# Altium PCB Science-Rev1.PcbDoc (continued)
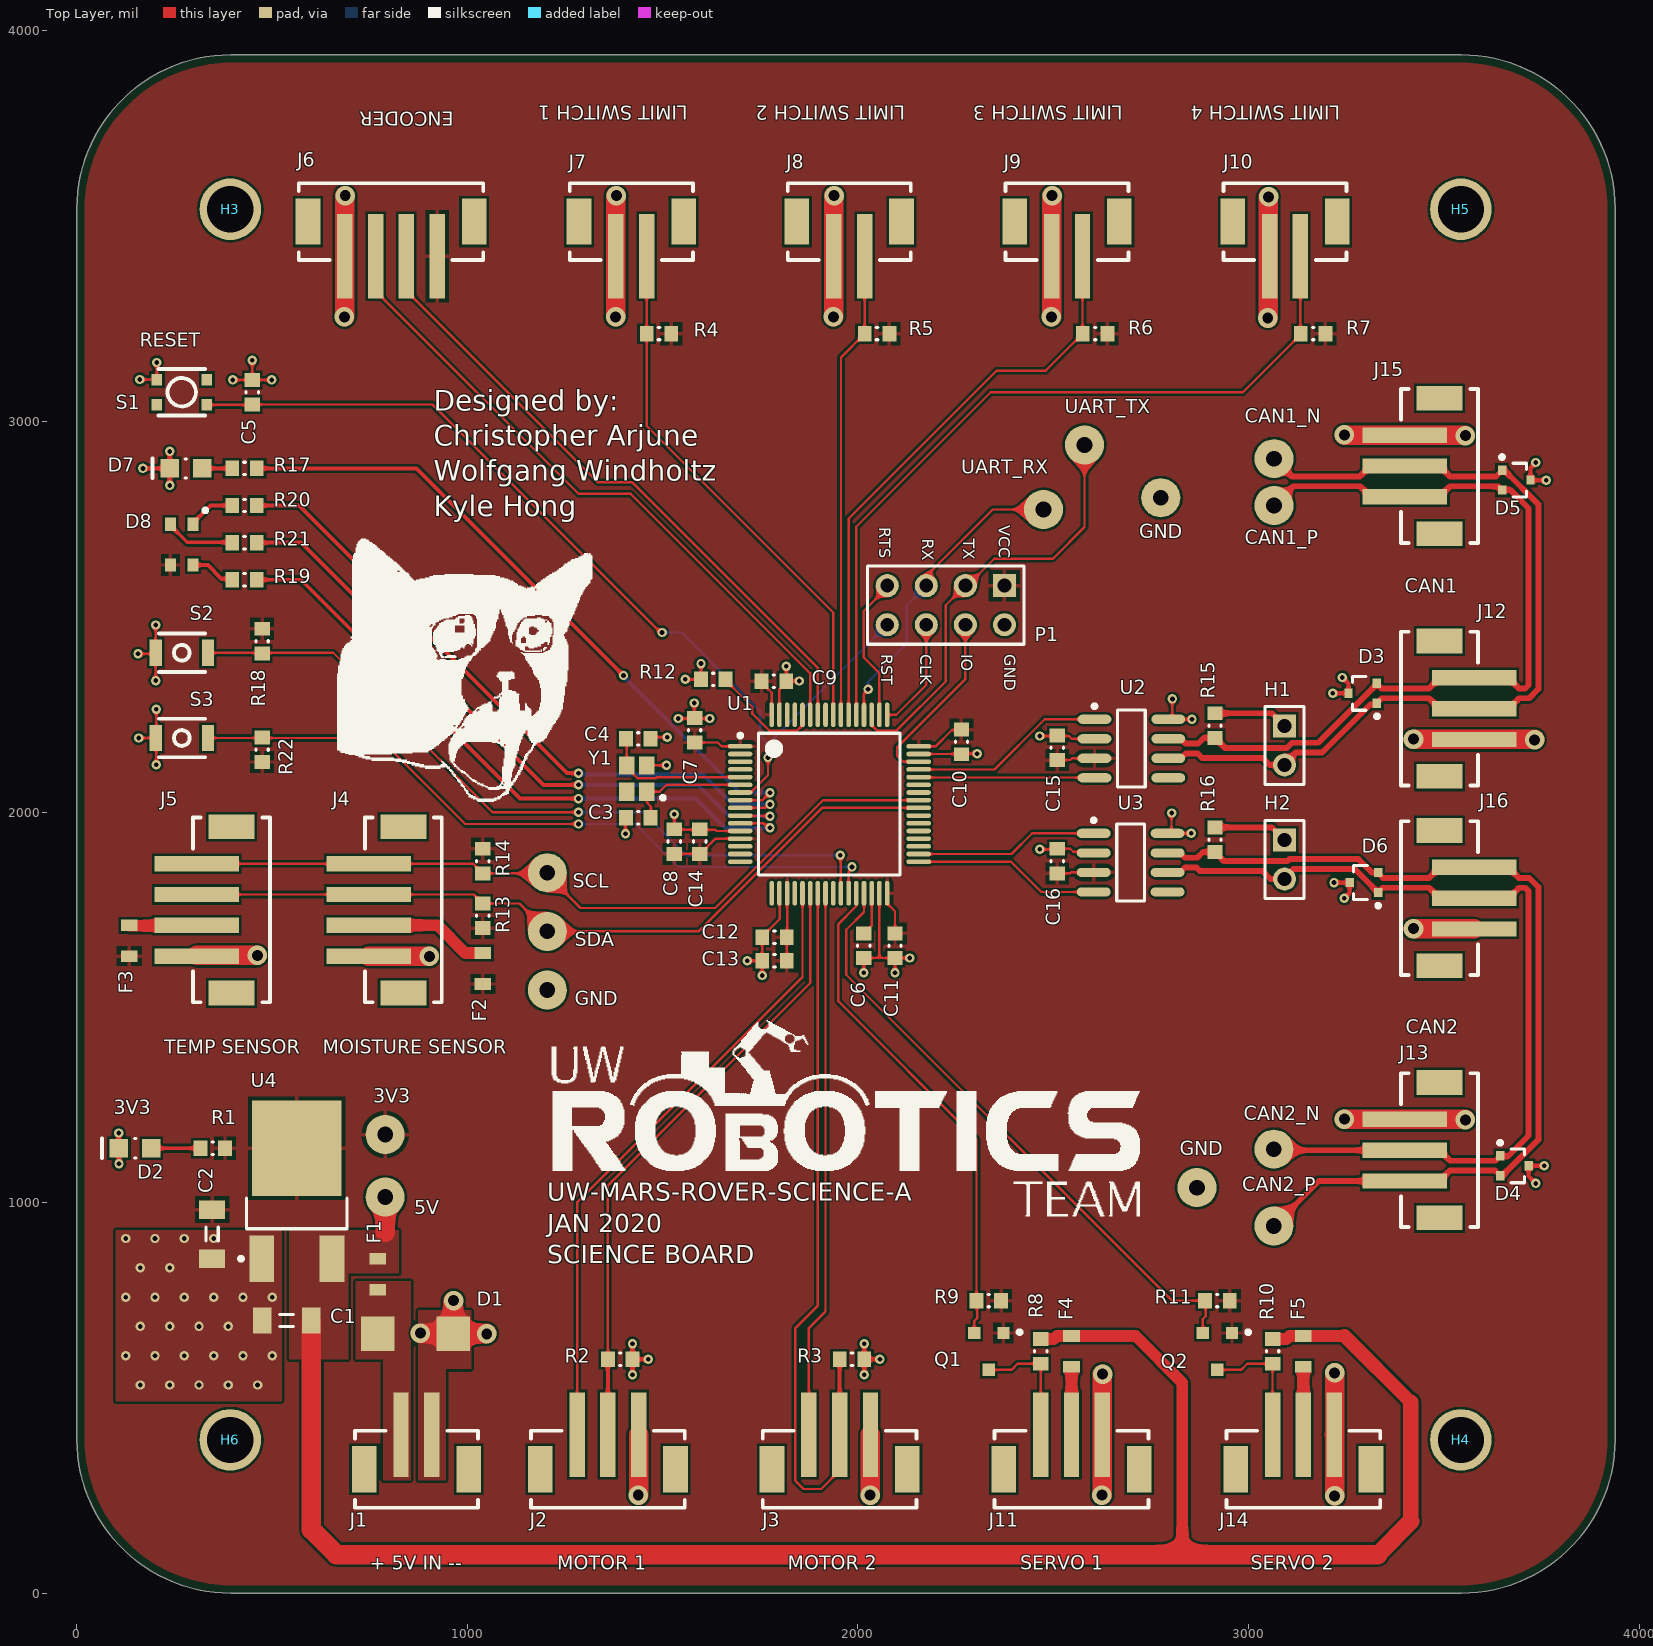
[diagram p0: Top Layer view]
## Footprints (in the part's own frame and the unit in brackets; to place one, negate y for a bottom-side part, rotate by r counter-clockwise, add the part's x,y. Pads: shape width x height; smd on the part's side, far side on the other; paste and mask are expansions set on the pad) (continued)
MOUNTING_HOLE [mm]
  round 4 hole 3 unplated: 0(0,0)
NMOS_SOT23-3 [mm] "SOT23, 3 pins, Body 2.90mm x 2.80mm"
  rect 0.8x0.8 smd: 1(-0.95,-1.2) 2(0.95,-1.2) 3(0,1.2)
  silkscreen extent -2.13,-1.37 -1.88,-1.13, body extent -1.46,-1.25 1.46,1.23, height 1
NXP-SOT323-3 [mm] "SOT23, 3-Leads, Body 2.2x1.35mm, Pitch 0.65mm"
  rect 0.55x0.6 smd paste-1: 1(-0.925,0.65) 2(-0.925,-0.65) 3(0.925,0)
  silkscreen extent -1.05,-1.1 0.67,1.62, body extent -1.15,-1.1 1.15,1.1, height 1.1
PTS830GM140 [mm] "PWR TACTILE SWITCH (RED)"
  rect 0.7x0.75 smd: 1(-1.625,0.825) 2(1.625,0.825) 3(-1.625,-0.825) 4(1.625,-0.825)
  silkscreen extent -1.53,-1.5 1.53,1.5, body extent -1.75,-1.3 1.75,1.3, height 1.35
RESC0603(1608)_N [mm] "Chip Resistor, Body 1.6x0.8mm, IPC Medium Density"
  rect 0.9x1 smd: 1(-0.8,0) 2(0.8,0)
  silkscreen extent -0.05,-0.4 0.05,0.4, body extent -0.85,-0.47 0.85,0.47, height 0.6
STM-LQFP64_L [mm] "QFP, 64-Leads, Body 10x10mm, Pitch 0.5mm, IPC High Density"
  oval 1.6x0.3 smd: 1(-5.8,3.75) 2(-5.8,3.25) 3(-5.8,2.75) 4(-5.8,2.25) 5(-5.8,1.75) 6(-5.8,1.25) 7(-5.8,0.75) 8(-5.8,0.25) 9(-5.8,-0.25) 10(-5.8,-0.75) 11(-5.8,-1.25) 12(-5.8,-1.75) 13(-5.8,-2.25) 14(-5.8,-2.75) 15(-5.8,-3.25) 16(-5.8,-3.75) 33(5.8,-3.75) 34(5.8,-3.25) 35(5.8,-2.75) 36(5.8,-2.25) 37(5.8,-1.75) 38(5.8,-1.25) 39(5.8,-0.75) 40(5.8,-0.25) 41(5.8,0.25) 42(5.8,0.75) 43(5.8,1.25) 44(5.8,1.75) 45(5.8,2.25) 46(5.8,2.75) 47(5.8,3.25) 48(5.8,3.75)
  oval 0.3x1.6 smd: 17(-3.75,-5.8) 18(-3.25,-5.8) 19(-2.75,-5.8) 20(-2.25,-5.8) 21(-1.75,-5.8) 22(-1.25,-5.8) 23(-0.75,-5.8) 24(-0.25,-5.8) 25(0.25,-5.8) 26(0.75,-5.8) 27(1.25,-5.8) 28(1.75,-5.8) 29(2.25,-5.8) 30(2.75,-5.8) 31(3.25,-5.8) 32(3.75,-5.8) 49(3.75,5.8) 50(3.25,5.8) 51(2.75,5.8) 52(2.25,5.8) 53(1.75,5.8) 54(1.25,5.8) 55(0.75,5.8) 56(0.25,5.8) 57(-0.25,5.8) 58(-0.75,5.8) 59(-1.25,5.8) 60(-1.75,5.8) 61(-2.25,5.8) 62(-2.75,5.8) 63(-3.25,5.8) 64(-3.75,5.8)
  silkscreen extent -5.92,-4.6 4.6,4.6, body extent -5,-5 5,5, height 1.6
TESTPOINT_LOOP [mm]
  round 2.54 hole 1.02: 1(0,0)
  body extent -1.27,-1.27 1.27,1.27, height 4.57
TVS_DIODE_BIDIRECTIONAL [mm]
  rect 2.16x2.26 smd: 1(-2.45,0) 2(2.45,0)
  body extent -2.7,-1.8 2.7,1.8, height 2.27
VOLTAGE_REGULATOR [mm] "DPAK, 3-Leads, Body 6.095x6.54mm, Pitch 4.57mm"
  rect 1.6x3 smd: 1(-2.285,-2.79) 3(2.285,-2.79)
  rect 5.8x6.2 smd: 2(0,4.39)
  silkscreen extent -3.76,-2.91 3.27,1.14, body extent -3.27,-0.84 3.27,5.25, height 2.38

## Part data
3V3 5V CAN1_N CAN1_P CAN2_N CAN2_P GND GND GND SCL SDA UART_RX UART_TX: "Loop testpoint through-hole pad", Manufacturer="Keystone Electronics", Manufacturer Part Number 1=5002, Supplier Part Number 1=36-5002-ND, Supplier 1=Digi-Key
C1 C2: library part CAP_10uF_50V_1206, "CAP CER 10UF 50V X5R 1206", Manufacturer=Murata, MPN=GRT31CR61H106KE01L, Package="1206 (3216 Metric)", Supplier Part Number 1=490-12456-1-ND, Voltage Rating=50V, Dimensions="0.126\" L x 0.063\" W (3.20mm x 1.6mm)", Supplier 1=Digi-Key
C3 C4: "CAP CER 14PF 50V C0G/NP0 0603", Capacitance=14pF, Case/Package=0603, Case Code (Metric)=1608, Dielectric=C0G, Manufacturer 1=Samsung, Manufacturer Part Number 1=CL10C140JB8NNNC, Max Operating Temperature=125∑C, Min Operating Temperature=-55∑C, Package Quantity=1, Supplier Part Number 1=1276-2187-1-ND, Tolerance=5%, Voltage Rating=50V, Case Code (Imperial)=0603, ComponentLink1Description=https://datasheet.ciiva.com/25782/cl10c140jb8nnnc-25782947.pdf?src-supplier=Digi-Key, ComponentLink1URL=https://datasheet.ciiva.com/25782/cl10c140jb8nnnc-25782947.pdf?src-supplier=Digi-Key, Depth=0.8mm, Height=0.8mm, Length=1.6mm, Mount="Surface Mount", Packaging="Tape and Reel", Pricing 1="1=0.10000, 10=0.06700, 100=0.02980, 500=0.02130, 1000=0.01673 (USD)", Radiation Hardening=No, RoHS=Yes, Stock 1=187088, Supplier 1=Digi-Key, Thickness=0.035inch, Voltage Rating (DC)=50V, Width=0.031inch
C5 C7 C9 C10 C11 C12 C15 C16: "CAP CER 0.1UF 16V X7R 0603", Manufacturer=Yageo, MPN=CC0603KRX7R7BB104, Package="0603 (1608 Metric)", Supplier Part Number 1=311-1088-1-ND, Temperature Coefficient=X7R, Voltage Rating=16V, Dimensions="0.063\" L x 0.031\" W (1.60mm x 0.80mm)", Supplier 1=Digi-Key
C6 C13: "CAP CER 4.7UF 6.3V X5R 0603", Manufacturer=Yageo, MPN=CC0603KRX5R5BB475, Package="0603 (1608 Metric)", Supplier Part Number 1=311-1521-1-ND, Temperature Coefficient=X5R, Voltage Rating=6.3V, Dimensions="0.063\" L x 0.031\" W (1.60mm x 0.80mm)", Supplier 1=Digi-Key
C8: "CAP CER 1UF 16V Y5V 0603", Manufacturer=Yageo, MPN=CC0603ZRY5V7BB105, Package="0603 (1608 Metric)", Supplier Part Number 1=311-1372-1-ND, Temperature Coefficient=Y5V, Voltage Rating=16V, Dimensions="0.063\" L x 0.031\" W (1.60mm x 0.80mm)", Supplier 1=Digi-Key
C14: "CAP CER 10000PF 16V X7R 0603", Manufacturer=Yageo, MPN=CC0603KRX7R7BB103, Package="0603 (1608 Metric)", Supplier Part Number 1=311-3369-1-ND, Temperature Coefficient=X7R, Voltage Rating=16V, Dimensions="0.063\" L x 0.031\" W (1.60mm x 0.80mm)", Supplier 1=Digi-Key
D1: "TVS DIODE 5V 9.2V DO214AA", Breakdown Voltage=6.4V, Case/Package=SMB, Clamping Voltage=9.2V, Leakage Current=1.6mA, Manufacturer="Nexperia USA Inc.", Manufacturer 1=Littelfuse, Manufacturer Part Number 1=SMBJ5.0CA, Max Breakdown Voltage=7V, Max Operating Temperature=150∑C, Max Power Dissipation=5W, Max Surge Current=65.3A, Min Operating Temperature=-65∑C, MPN=PESD2CAN,215, Operating Supply Voltage=5V, Package="SC-70, SOT-323", Package Quantity=3000, Peak Pulse Power=600W, Power Line Protection=No, Supplier Part Number 1=1727-3891-1-ND, Test Current=10mA, ComponentLink1Description=Datasheet, ComponentLink1URL=https://www.littelfuse.com/~/media/electronics/datasheets/tvs_diodes/littelfuse_tvs_diode_smbj_datasheet.pdf.pdf, Composition=Zener, Direction=Bidirectional, Element Configuration=Single, ESD Protection=Yes, Height=0.096inch, Lead Free="Lead Free", Length=0.179inch, Max Reverse Leakage Current=1.6mA, Min Breakdown Voltage=6.4V, Mount="Surface Mount", Number of Bidirectional Channels=1, Number of Channels=1, Number of Elements=1, Number of Pins=2, Packaging="Tape and Reel", Peak Pulse Current=65.3A, Polarity=Bidirectional, Power Dissipation=600W, Pricing 1="1=0.39000, 10=0.31300, 25=0.28640, 100=0.17980, 250=0.17784, 500=0.16650, 1000=0.11322 (USD)", Radiation Hardening=No, REACH SVHC="No SVHC", Reverse Breakdown Voltage=6.4V, Reverse Standoff Voltage=5V, Stock 1=23233, Supplier 1=Digi-Key, Termination=SMD/SMT, Voltage Rating (DC)=5V, Width=0.155inch
D2: "LED GREEN DIFFUSED 0805 SMD", Forward Voltage Drop=2.2V, Manufacturer=OSRAM, MPN="LG R971-KN-1", Package="0805 (2012 Metric)", Supplier Part Number 1=475-1410-1-ND, Supplier 1=Digi-Key
D3 D4 D5 D6: "TVS DIODE 24V 41V SOT323-3", Manufacturer="Nexperia USA Inc.", Manufacturer Part Number=PESD2CAN,215, Package="SC-70, SOT-323", Supplier Part Number 1=1727-3891-1-ND, ComponentLink1Description=Datasheet, ComponentLink1URL=https://assets.nexperia.com/documents/data-sheet/PESD1CAN-U.pdf, Supplier 1=Digi-Key
D7: "LED YELLOW DIFFUSED 0805 SMD", Forward Voltage Drop=2.2V, Manufacturer=OSRAM, MPN="LY R976-PS-36", Package="0805 (2012 Metric)", Supplier Part Number 1=475-2560-1-ND, Supplier 1=Digi-Key
D8: "LED RGB DIFFUSED 4PLCC SMD", Case/Package=PLCC, Color=Blue,Green,Red, Forward Voltage=3.1V, Lens Color=White, Manufacturer 1=Broadcom, Manufacturer Part Number 1=ASMB-MTB1-0A3A2, Supplier Part Number 1=516-3280-1-ND, Test Current=20mA, ComponentLink1Description=http://www.farnell.com/datasheets/2111106.pdf?src-supplier=Farnell, ComponentLink1URL=http://www.farnell.com/datasheets/2111106.pdf?src-supplier=Farnell, ComponentLink2Description=https://docs.broadcom.com/docs/AV02-4194EN?src-supplier=Digi-Key, ComponentLink2URL=https://docs.broadcom.com/docs/AV02-4194EN?src-supplier=Digi-Key, ComponentLink3Description=http://www.farnell.com/datasheets/1801564.pdf?src-supplier=Element14, ComponentLink3URL=http://www.farnell.com/datasheets/1801564.pdf?src-supplier=Element14, ComponentLink4Description=http://www.farnell.com/datasheets/2111106.pdf?src-supplier=Newark, ComponentLink4URL=http://www.farnell.com/datasheets/2111106.pdf?src-supplier=Newark, Dominant Wavelength=470nm, Height=1.9mm, Length=3.2mm, Lens Style=Round, Lens Transparency=Diffused, Luminous Intensity=350mcd, Mount="Surface Mount", Number of Pins=4, Packaging="Cut Tape", Pricing 1="1=0.60000, 10=0.47100, 100=0.30210, 500=0.25980, 1000=0.20059 (USD)", REACH SVHC="No SVHC", RoHS=Yes, Stock 1=142531, Supplier 1=Digi-Key, Viewing Angle=115∑, Width=2.8mm
F1: "FUSE SMD 2A 32V", Current Rating=2A, Supplier Part Number 1=F7132CT-ND, Voltage Rating (AC)=32V, ComponentLink1Description=https://datasheet.ciiva.com/303/467-303400.pdf?src-supplier=Digi-Key, ComponentLink1URL=https://datasheet.ciiva.com/303/467-303400.pdf?src-supplier=Digi-Key, ComponentLink2Description=http://datasheet.octopart.com/0467002.NRHF-Littelfuse-datasheet-32023482.pdf?src-supplier=Future+Electronics, ComponentLink2URL=http://datasheet.octopart.com/0467002.NRHF-Littelfuse-datasheet-32023482.pdf?src-supplier=Future+Electronics, ComponentLink3Description=http://datasheet.octopart.com/0467002.NRHF-Littelfuse-datasheet-136509808.pdf?src-supplier=Future+Electronics, ComponentLink3URL=http://datasheet.octopart.com/0467002.NRHF-Littelfuse-datasheet-136509808.pdf?src-supplier=Future+Electronics, Mount="Surface Mount", Supplier 1=Digi-Key, Supplier Packaging 1="Cut Tape", Voltage Rating (DC)=32V
F2 F3: "FUSE SMD 250mA 32V", Current Rating=250mA, Supplier Part Number 1=F6020CT-ND, Voltage Rating (AC)=32V, ComponentLink1Description=https://datasheet.ciiva.com/303/467-303396.pdf?src-supplier=Digi-Key, ComponentLink1URL=https://datasheet.ciiva.com/303/467-303396.pdf?src-supplier=Digi-Key, ComponentLink2Description=https://datasheet.ciiva.com/18652/littelfuse-fuse-467-datasheet-pdf-18652490.pdf?src-supplier=Digi-Key, ComponentLink2URL=https://datasheet.ciiva.com/18652/littelfuse-fuse-467-datasheet-pdf-18652490.pdf?src-supplier=Digi-Key, ComponentLink3Description=https://datasheet.ciiva.com/18652/littelfuse-fuse-467-datasheet-pdf-18652491.pdf?src-supplier=Digi-Key, ComponentLink3URL=https://datasheet.ciiva.com/18652/littelfuse-fuse-467-datasheet-pdf-18652491.pdf?src-supplier=Digi-Key, ComponentLink4Description=https://datasheet.ciiva.com/18652/littelfuse-fuse-467-datasheet-pdf-18652492.pdf?src-supplier=Digi-Key, ComponentLink4URL=https://datasheet.ciiva.com/18652/littelfuse-fuse-467-datasheet-pdf-18652492.pdf?src-supplier=Digi-Key, Mount="Surface Mount", Supplier 1=Digi-Key, Supplier Packaging 1="Cut Tape", Voltage Rating (DC)=32V
F4 F5: "FUSE SMD 1.5A 32V", Current Rating=1.5A, Supplier Part Number 1=F5702CT-ND, Voltage Rating (AC)=32V, ComponentLink1Description=https://datasheet.ciiva.com/26890/getdatasheetpartid-721713-26890390.pdf?src-supplier=Verical, ComponentLink1URL=https://datasheet.ciiva.com/26890/getdatasheetpartid-721713-26890390.pdf?src-supplier=Verical, ComponentLink2Description=https://datasheet.ciiva.com/7464/467-7464069.pdf?src-supplier=Digi-Key, ComponentLink2URL=https://datasheet.ciiva.com/7464/467-7464069.pdf?src-supplier=Digi-Key, ComponentLink3Description=https://datasheet.ciiva.com/7464/467-7464072.pdf?src-supplier=Digi-Key, ComponentLink3URL=https://datasheet.ciiva.com/7464/467-7464072.pdf?src-supplier=Digi-Key, Mount="Surface Mount", Supplier 1=Digi-Key, Supplier Packaging 1="Cut Tape", Voltage Rating (DC)=32V
H1 H2: "HEADER 2X1"
H3 H4 H5 H6: "6cm x 6cm"
J1 J7 J8 J9 J10: "CONN HEADER SMD 2POS 2MM", Manufacturer=JST, Manufacturer Part Number=B2B-PH-SM4-TB(LF)(SN), Max Current Rating=2A, Max Voltage Rating=100V, Supplier Part Number 1=455-1734-1-ND, ComponentLink1Description=https://datasheet.ciiva.com/11748/0900766b80ddea81-11748001.pdf?src-supplier=RSComponents, ComponentLink1URL=https://datasheet.ciiva.com/11748/0900766b80ddea81-11748001.pdf?src-supplier=RSComponents, ComponentLink2Description=https://datasheet.ciiva.com/16216/b2b-ph-sm4-tblfsn-16216102.pdf?src-supplier=Future+Electronics, ComponentLink2URL=https://datasheet.ciiva.com/16216/b2b-ph-sm4-tblfsn-16216102.pdf?src-supplier=Future+Electronics, ComponentLink3Description=https://datasheet.ciiva.com/8052/80567-8052023.pdf?src-supplier=Element14, ComponentLink3URL=https://datasheet.ciiva.com/8052/80567-8052023.pdf?src-supplier=Element14, ComponentLink4Description=https://datasheet.ciiva.com/712/eph-712504.pdf?src-supplier=Digi-Key, ComponentLink4URL=https://datasheet.ciiva.com/712/eph-712504.pdf?src-supplier=Digi-Key, ComponentLink5Description=https://datasheet.ciiva.com/712/eph-712505.pdf?src-supplier=Digi-Key, ComponentLink5URL=https://datasheet.ciiva.com/712/eph-712505.pdf?src-supplier=Digi-Key, ComponentLink6Description=https://datasheet.ciiva.com/712/eph-712506.pdf?src-supplier=Digi-Key, ComponentLink6URL=https://datasheet.ciiva.com/712/eph-712506.pdf?src-supplier=Digi-Key, Pitch=2mm, Supplier 1=Digi-Key
J2 J3 J11 J12 J13 J14 J15 J16: "CONN HEADER SMD 3POS 2MM", Manufacturer=JST, Manufacturer Part Number=B3B-PH-SM4-TB(LF)(SN), Max Current Rating=2A, Max Voltage Rating=100V, Supplier Part Number 1=455-1735-1-ND, ComponentLink1Description=https://datasheet.ciiva.com/11747/0900766b80ddea81-11747684.pdf?src-supplier=RSComponents, ComponentLink1URL=https://datasheet.ciiva.com/11747/0900766b80ddea81-11747684.pdf?src-supplier=RSComponents, Pitch=2mm, Supplier 1=Digi-Key
J4 J5: library part CON_4M_SM4, "CONN HEADER SMD 4POS 2MM", Manufacturer=JST, Manufacturer Part Number=B4B-PH-SM4-TB(LF)(SN), Max Current Rating=2A, Max Voltage Rating=100V, Supplier Part Number 1=455-1736-1-ND, ComponentLink1Description=https://datasheet.ciiva.com/8052/1699381-8052048.pdf?src-supplier=Element14, ComponentLink1URL=https://datasheet.ciiva.com/8052/1699381-8052048.pdf?src-supplier=Element14, ComponentLink2Description=https://datasheet.ciiva.com/11747/0900766b80ddea81-11747504.pdf?src-supplier=RSComponents, ComponentLink2URL=https://datasheet.ciiva.com/11747/0900766b80ddea81-11747504.pdf?src-supplier=RSComponents, ComponentLink3Description=https://datasheet.ciiva.com/6747/80567-6747409.pdf?src-supplier=Newark, ComponentLink3URL=https://datasheet.ciiva.com/6747/80567-6747409.pdf?src-supplier=Newark, ComponentLink4Description=https://datasheet.ciiva.com/727/eph-727525.pdf?src-supplier=Digi-Key, ComponentLink4URL=https://datasheet.ciiva.com/727/eph-727525.pdf?src-supplier=Digi-Key, ComponentLink5Description=https://datasheet.ciiva.com/712/eph-712582.pdf?src-supplier=Digi-Key, ComponentLink5URL=https://datasheet.ciiva.com/712/eph-712582.pdf?src-supplier=Digi-Key, ComponentLink6Description=https://datasheet.ciiva.com/712/eph-712583.pdf?src-supplier=Digi-Key, ComponentLink6URL=https://datasheet.ciiva.com/712/eph-712583.pdf?src-supplier=Digi-Key, Pitch=2mm, Supplier 1=Digi-Key
J6: "CONN HEADER SMD 4POS 2MM", Manufacturer=JST, Manufacturer Part Number=B4B-PH-SM4-TB(LF)(SN), Max Current Rating=2A, Max Voltage Rating=100V, Supplier Part Number 1=455-1736-1-ND, ComponentLink1Description=https://datasheet.ciiva.com/8052/1699381-8052048.pdf?src-supplier=Element14, ComponentLink1URL=https://datasheet.ciiva.com/8052/1699381-8052048.pdf?src-supplier=Element14, ComponentLink2Description=https://datasheet.ciiva.com/11747/0900766b80ddea81-11747504.pdf?src-supplier=RSComponents, ComponentLink2URL=https://datasheet.ciiva.com/11747/0900766b80ddea81-11747504.pdf?src-supplier=RSComponents, ComponentLink3Description=https://datasheet.ciiva.com/6747/80567-6747409.pdf?src-supplier=Newark, ComponentLink3URL=https://datasheet.ciiva.com/6747/80567-6747409.pdf?src-supplier=Newark, ComponentLink4Description=https://datasheet.ciiva.com/727/eph-727525.pdf?src-supplier=Digi-Key, ComponentLink4URL=https://datasheet.ciiva.com/727/eph-727525.pdf?src-supplier=Digi-Key, ComponentLink5Description=https://datasheet.ciiva.com/712/eph-712582.pdf?src-supplier=Digi-Key, ComponentLink5URL=https://datasheet.ciiva.com/712/eph-712582.pdf?src-supplier=Digi-Key, ComponentLink6Description=https://datasheet.ciiva.com/712/eph-712583.pdf?src-supplier=Digi-Key, ComponentLink6URL=https://datasheet.ciiva.com/712/eph-712583.pdf?src-supplier=Digi-Key, Pitch=2mm, Supplier 1=Digi-Key
P1: "Header, 4-Pin Dual row", Manufacturer="Sullins Connector Solutions", MPN=GRPB042VWVN-RC, Supplier Part Number 1=S9015E-04-ND, Supplier 1=Digi-Key
Q1 Q2: "MOSFET N-CH 20V 6A SOT23", Manufacturer="Alpha & Omega", MPN=AO3420, Package="TO-236-3, SC-59, SOT-23-3", Supplier Part Number 1=785-1014-1-ND, ComponentLink1Description=Datasheet, ComponentLink1URL=http://aosmd.com/res/data_sheets/AO3420.pdf, Supplier 1=Digi-Key
R1 R15 R16 R17 R20: "RES SMD 120 OHM 5% 1/10W 0603", Manufacturer=Yageo, MPN=RC0603JR-07120RL, Package="0603 (1608 Metric)", Supplier Part Number 1=311-120GRCT-ND, Tolerance=5%, Dimensions="0.063\" L x 0.031\" W (1.60mm x 0.80mm)", Supplier 1=Digi-Key
R2 R3 R4 R5 R6 R7 R8 R9 R10 R11 R12 R13 R14 R18 R22: "RES SMD 4.7K OHM 5% 1/10W 0603", Manufacturer=Yageo, MPN=RC0603JR-074K7L, Package="0603 (1608 Metric)", Supplier Part Number 1=311-4.7KGRCT-ND, Tolerance=5%, Dimensions="0.063\" L x 0.031\" W (1.60mm x 0.80mm)", Supplier 1=Digi-Key
R19 R21: "RES SMD 20 OHM 5% 1/10W 0603", Manufacturer=Yageo, MPN=RC0603JR-0720RL, Package="0603 (1608 Metric)", Supplier Part Number 1=311-20GRCT-ND, Tolerance=5%, Dimensions="0.063\" L x 0.031\" W (1.60mm x 0.80mm)", Supplier 1=Digi-Key
S1: "Power Switch (Red)", Manufacturer=C&K, MPN="PTS830GM140 SMTR LFS", Supplier Part Number 1=CKN10587CT-ND, ComponentLink1Description=Datasheet, ComponentLink1URL=https://www.ckswitches.com/media/1478/pts830.pdf, Supplier 1=Digi-Key
S2 S3: "Tactile Switch (Grey)", Manufacturer="Omron Electronics Inc-EMC Div", MPN=B3U-1100P, Supplier Part Number 1=SW1021CT-ND, Supplier 1=Digi-Key
U1: library part MCU_STM32F446RET6, "ARM Cortex-M4 32-bit MCU+FPU, 512 KB Flash, 128 KB Internal RAM, 50 I/Os, 64-Pin LQFP, -40 to 85 degC, Tray", I/Os (High Current)=50, Operating Frequency(F) (Processor speed) (MHz)=180, Package Description=LQFP64, Package Reference="64-Pin Low-profile Quad Flat Package, Body 10 x 10 mm, Pitch 0.5 mm", Supplier Part Number 1=497-15376-ND, Supply Voltage(Vcc) min (V)=1.7, ComponentLink1Description="Manufacturer URL", ComponentLink1URL=http://www.st.com/, ComponentLink2Description=Datasheet, ComponentLink2URL=http://www.st.com/st-web-ui/static/active/en/resource/technical/document/datasheet/DM00141306.pdf, Core="ARM Cortex-M4", D/A Converter=2, DatasheetVersion="Rev. 6", FLASH Size (Prog) (kB)=512, Internal RAM Size (kB)=128, Mounting Technology="Surface Mount", Packing=Tray, Supplier 1=Digi-Key
U2 U3: library part LTC2875, "IC TXRX CAN 4MBPS 8SO", Manufacturer="Linear Technologies", MPN=LTC2875IS8#PBF, Package="8-SOIC (0.154\", 3.90mm Width)", Supplier Part Number 1=LTC2875IS8#PBF-ND, ComponentLink1Description=Datasheet, ComponentLink1URL=https://www.analog.com/media/en/technical-documentation/data-sheets/2875f.pdf, Supplier 1=Digi-Key
U4: "IC REG LINEAR 3.3V 1A DPAK", Current Output=1A, Manufacturer="ON Semiconductor", MPN=NCP1117DT33T5G, Supplier Part Number 1=NCP1117DT33T5GOSCT-ND, Supplier 1=Digi-Key
Y1: "CRYSTAL 25.0000MHZ 12PF SMD", Case/Package=SMD/SMT, ESR (Equivalent Series Resistance)=80R, Frequency=25MHz, Frequency Stability=15ppm, Frequency Tolerance=10ppm, Load Capacitance=12pF, Manufacturer 1="Kyocera AVX", Manufacturer Part Number 1=CX2520DB25000H0FLJC1, Max Operating Temperature=85∑C, Min Operating Temperature=-30∑C, Ratings=AEC-Q200, Supplier Part Number 1=1253-1724-1-ND, ComponentLink1Description=https://media.digikey.com/pdf/Data%20Sheets/AVX%20PDFs/CX2520DB_USY1M-H1-16429-00_Spec.pdf?src-supplier=Digi-Key, ComponentLink1URL=https://media.digikey.com/pdf/Data%20Sheets/AVX%20PDFs/CX2520DB_USY1M-H1-16429-00_Spec.pdf?src-supplier=Digi-Key, Height=0.022inch, Length=0.098inch, Mount="Surface Mount", Packaging="Tape and Reel", Pricing 1="1=0.72000, 10=0.63300, 50=0.59120, 100=0.52250, 500=0.49500, 1000=0.41250 (USD)", RoHS=Yes, Stock 1=11741, Supplier 1=Digi-Key, Width=0.079inch

## Via types
v1: diameter 24, hole 12, Top Layer to Bottom Layer, tented both sides, 95 vias
v2: diameter 50, hole 28, Top Layer to Bottom Layer, tented both sides, 28 vias

## Nets (pads, with @x,y where several pads share a name; then routed paths per layer and width w, separated by ;. In a path a pad name is that pad's centre, name@x,y a point inside that pad or via, vN(x,y) a via of type N, cw(c..) or ccw(c..) an arc to the next point about the centre after c; other vN are vias at no path point)
+3V3: 3V3.1 C2.1 C7.2 C8.2 C9.2 C10.2 C11.2 C12.2 C13.2 C14.2 C15.2 C16.2 D8.4 F2.1 F3.1 J6.1 P1.1 Q1.1 Q2.1 R1.2 R4.2 R5.2 R6.2 R7.2 R9.2 R11.2 R13.2 R14.2 R18.1 R22.2 U1.1 U1.13 U1.19 U1.32 U1.48 U1.64 U2.3 U3.3 U4.2 | length 1005.9
  Top Layer w6: C8.2 C14.2 1596.97,1893.5 1635.88,1932.42 U1.13 ; C7.2 1641.5,2178.5 1651.36,2168.64 U1.1 ; C9.2@1757.01,2335 1757.01,2327.99 1779.36,2305.64 U1.64 ; C13.2 C12.2 1818.73,1680.73 U1.19 ; U1.32 2074.64,1767.06 2095,1746.7 C11.2 ; U1.48 2198.64,2168.64 2240,2210 2263.5,2210 C10.2 ; C15.2@2508.5,2135 C15.2 2543.5,2133.5 2548,2138 U2.3 ; C16.2 2543.5,1843.5 2546,1846 U3.3
+5V: 5V.1 C1.1 F1.2 F4.1 F5.1 R8.2 R10.2 U4.3 | length 5088
  Top Layer w30: R8.2 2501.5,651.5 2509.57,659.57 F4.1 2710.43,659.57 2830,540 2830,100 ; R10.2 3096.5,651.5 3104.57,659.57 F5.1 3245.43,659.57
  Top Layer w35: 3245.43,659.57 3415,490
  Top Layer w40: 3415,185 3415,490
  Top Layer w45: 3330,100 3415,185
  Top Layer w50: C1.1 600.98,164.02 665,100 2830,100 3330,100 ; 790,925 5V.1
\R\S\T\: C5.2 P1.8 S1.4 U1.7 | length 2435.2
  Top Layer w6: S1.4 449.02,3042.52 C5.2 911.5,3043.5 1495,2460 v1(1498.75,2460) ; U1.7 1725.64,2050.53 1770,2094.89 v1(1770,2140)
  Bottom Layer w6: v1(1498.75,2460) 1548.71,2460 1750,2258.71 1750,2195 1770,2175 ; v1(1770,2140) 1770,2175 ; P1.8 1770,2175
BUTTON_1: R18.2 S2.1 U1.26 | length 1931.8
  Top Layer w6: S2.1 475,2408.02 656.98,2408.02 1065,2000 v1(1285,2000) ; v1(1955,1890) 1956.53,1888.47 1955.76,1887.71 1955.76,1793.42 U1.26
  Bottom Layer w6: v1(1285,2000) 1450,2000 1560,1890 v1(1955,1890)
BUTTON_2: R22.1 S3.1 U1.27 | length 1849.3
  Top Layer w6: S3.1 R22.1@475,2190 ; R22.1@482,2190 775,2190 995,1970 v1(1285,1970) ; U1.27 1976.21,1846.34 1985,1855.13 v1(1985,1860)
  Bottom Layer w6: v1(1285,1970) 1430,1970 1540,1860 v1(1985,1860)
CAN1_N: CAN1_N.1 D3.1 D5.1 H1.2 J12.2 J15.2 U2.6 | length 2302.2
  Top Layer w15: U2.6 2826.58,2138 2839.08,2150.5 2869.5,2150.5 2881,2139 3036,2139 3054.03,2120.97 H1.2 3092,2123.77 3121.18,2152.94 3188.3,2152.94 3311.26,2275.91 3325.51,2275.91 D3.1 3328.42,2279.8 3340.52,2291.91 3461.52,2291.91 3488.43,2265 J12.2 3665.6,2265 3692.47,2291.87 3718.14,2291.87 3741.57,2315.3 3741.57,2788.12 3655.08,2874.61 3648.58,2874.61 3633.37,2859.39 3515.45,2859.39 3488.59,2886.26 J15.2 3311.41,2886.26 3284.55,2859.39 3110.61,2859.39 CAN1_N.1
CAN1_P: CAN1_P.1 D3.2 D5.2 J12.1 J15.1 R15.1 U2.7 | length 2214.2
  Top Layer w15: U2.7 2826.58,2188 2839.08,2175.5 2870.5,2175.5 2885.2,2190.2 R15.1 2940.2,2164 3096.88,2164 3110.82,2177.94 3177.94,2177.94 3300.91,2300.91 3328.72,2328.72 3340.52,2316.91 3461.59,2316.91 3488.43,2343.74 J12.1 3665.6,2343.74 3692.47,2316.87 3707.78,2316.87 3716.57,2325.66 3716.57,2777.77 3669.28,2825.05 D5.2@3649.22,2825.05 ; CAN1_P.1 3080,2800 3114.39,2834.39 3284.55,2834.39 3311.41,2807.52 J15.1 3488.59,2807.52 3515.45,2834.39 3639.59,2834.39 3648.58,2825.39 D5.2 ; D3.2@3328.42,2329.02 D3.2
CAN1_RX: U1.44 U2.4 | length 451
  Top Layer w6: U1.44 2156.3,2088.95 2604.56,2088.95 U2.4
CAN1_TX: U1.45 U2.1 | length 503.4
  Top Layer w6: U1.45 2349.88,2109.58 2478.3,2238 U2.1
CAN2_N: CAN2_N.1 D4.1 D6.1 H2.2 J13.2 J16.2 U3.6 | length 2323.6
  Top Layer w15: U3.6 2824.58,1846 2837.08,1858.5 2866.5,1858.5 2875,1850 3035,1850 3056.03,1828.97 H2.2 3092,1831.77 3115.23,1855 3270.83,1855 D6.1 ; CAN2_N.1@3067.28,1135 J13.2 3488.59,1135 3515.45,1108.13 3632.11,1108.13 3643.58,1119.61 D4.1 3644.22,1119.95 3664.28,1119.95 3716.57,1172.23 3716.57,1798.08 3707.78,1806.87 3692.47,1806.87 3665.6,1780 J16.2 3488.43,1780 3461.56,1806.87 3342.89,1806.87 D6.1@3331.42,1795.39
CAN2_P: CAN2_P.1 D4.2 D6.2 J13.1 J16.1 R16.1 U3.7 | length 2451.1
  Top Layer w15: U3.7 2824.58,1896 2837.08,1883.5 2868.5,1883.5 2883.2,1898.2 R16.1 2937.2,1875 3099.88,1875 3104.88,1880 3281.18,1880 3316.23,1844.95 3330.78,1844.95 D6.2 3331.42,1844.61 3344.15,1831.87 3461.56,1831.87 3488.43,1858.74 J16.1 3665.6,1858.74 3692.47,1831.87 3718.14,1831.87 3741.57,1808.44 3741.57,1161.88 3649.1,1069.41 D4.2 ; CAN2_P.1 3180.04,1056.26 J13.1 3488.59,1056.26 3515.45,1083.13 3630.85,1083.13 D4.2@3643.58,1070.39
CAN2_RX: U1.33 U3.4 | length 480.2
  Top Layer w6: U1.33 2391.64,1873.36 2469,1796 U3.4
CAN2_TX: U1.34 U3.1 | length 470.1
  Top Layer w6: U1.34 2393.05,1893.05 2446,1946 U3.1
DC1_ENC_CHANNEL_A: J6.2 U1.58 | length 1661.5
  Top Layer w6: J6.2 844.37,3334.4 1334.61,2844.16 1422.81,2844.16 1897.47,2369.5 U1.58
DC1_ENC_CHANNEL_B: J6.3 U1.59 | length 1712.3
  Top Layer w6: J6.3 765.63,3334.4 1285.03,2815 1418.23,2815 1877.79,2355.45 U1.59
DIR_DC1: J2.1 U1.21 | length 1624.6
  Top Layer w6: J2.1 1281.26,1001.26 1858.1,1578.1 U1.21
DIR_DC2: J3.1 U1.24 | length 1403.3
  Top Layer w6: J3.1 1874.59,679.59 1917.16,722.16 U1.24
GND: C1.2 C2.2 C3.1 C4.1 C5.1 C6.1 C7.1 C8.1 C9.1 C10.1 C11.1 C12.1 C13.1 C14.1 C15.1 C16.1 D1.2 D2.2 D3.3 D4.3 D5.3 D6.3 D7.2 GND.1 J1.2 J2.3 J3.3 J4.1 J5.1 J6.4 J7.2 J8.2 J9.2 J10.2 J11.3 J12.3 J13.3 J14.3 J15.3 J16.3 P1.5 R2.2 R3.2 R12.1 S1.1 S2.2 S3.2 U1.12 U1.18 U1.31 U1.47 U1.63 U2.2 U2.8 U3.2 U3.8 U4.1 Y1.2 | length 7575.6
  Top Layer w6: v1(157.28,2405.51) S2.2@200.79,2405.51 ; v1(159.05,2190) S3.2 ; v1(162,3107.48) S1.1 v1(205.5,3150.98) ; v1(202.55,2336.96) S2.2 v1(202.55,2479.09) ; v1(204.32,2121.45) v1(204.32,2263.58) ; v1(400,3106.5) C5.1 ; v1(450,3156.5) C5.1 ; v1(500,3106.5) C5.1 ; v1(1405,1945) 1405,1984.48 C3.1 ; Y1.2 1469.74,2130 1479.74,2120 v1(1510,2120) ; C4.1 1473.51,2192 v1(1512,2192) ; v1(1530,1995) C8.1 1530,1955.5 1595,1955.5 1596.5,1955 1635,1955 1637.9,1952.1 U1.12 ; v1(1540,2240) C7.1@1580.5,2240 ; v1(1558,2340) R12.1 v1(1598.5,2380.5) ; C7.1@1581,2239 C7.1@1581,2240 ; v1(1581,2279.5) C7.1@1581,2240.5 ; C7.1 C7.1@1581,2240.5 ; v1(1621.01,2240) C7.1@1581,2240 ; v1(1717.02,1620) C13.1 ; v1(1755.01,1582.01) C13.1 ; U1.18 1800,1791.7 1800,1726.96 1755.01,1681.97 C12.1 C13.1 ; U1.63 1799.05,2314.05 1816.5,2331.5 C9.1 C9.1@1816.5,2336 ; v1(1816.5,2373.54) C9.1@1816.5,2336 ; v1(1850.03,2336) C9.1@1816.5,2336 ; v1(2015,1589.02) C6.1 2054.95,1627.01 ; U1.31 2054.95,1627.01 ; v1(2095,1589.02) C11.1 ; v1(2132.99,1627.01) C11.1 ; U1.47 2264.55,2148.95 C10.1 2266.5,2150 v1(2305,2150) ; P1.5 P1.5@2375.62,2479.38 ; v1(2465,1905) 2508.5,1905 C16.1 2543.5,1906.5 2551.2,1898.8 2600.72,1898.8 U3.2 ; v1(2465,2195) 2508.5,2195 C15.1 2511.5,2195 2540,2195 2547,2188 U2.2 ; U3.8 v1(2852.99,1946) ; U2.8 v1(2854.99,2238) ; 2800,1958.49 2802.49,1956 2802.49,1997.49 v1(2803,1998) ; U2.8@2804.49,2248 2804.49,2289.49 v1(2805,2290) ; C7.1@1580.5,2240 C7.1@1581,2240 ; C7.1@1580.5,2240 C7.1@1581,2240.5 ; C7.1@1581,2240 C7.1@1581,2240.5 ; 2054.95,1627.01 C11.1
  Top Layer w10: D2.2@108,1139 v1(108,1179) ; v1(108.66,1100) D2.2 ; v1(170,2880) D7.2 ; v1(238.66,2836.5) D7.2 ; v1(238.66,2923.5) D7.2 ; v1(1422.99,560) R2.2 ; v1(1422.99,640) R2.2 ; v1(1462.99,600) R2.2 ; v1(2016.33,560) R3.2 ; v1(2016.33,640) R3.2 ; v1(2056.33,600) R3.2 ; v1(3215.58,2304.41) D3.3 3255.58,2329.42 v1(3240,2345) ; v1(3218.58,1820) D6.3 3258.58,1793.58 v1(3245,1780) ; v1(3735,1050) 3716.42,1068.58 D4.3 v1(3756.42,1095) ; v1(3735,2895) 3721.42,2881.42 D5.3 v1(3761.42,2850)
  Top Layer w50: J5.1@307.99,1633.74 v2(462.99,1633.74) ; v2@686.89,3267.99 J6.4 v2@686.89,3577.99 ; J4.1 v2@902.99,1631.89 ; v2@880,666 D1.2@964,666 ; D1.2 D1.2@964,666 ; v2@964,750 D1.2@964,666 ; v2@1050,666 D1.2@964,666 ; v2@1380.63,3267.99 J7.2 v2@1380.63,3577.99 ; v2@1438.74,252.01 J2.3 ; v2@1938.34,3267.99 J8.2 v2@1938.34,3577.99 ; v2@2032.07,252.01 J3.3 ; v2@2496.04,3267.99 J9.2 v2@2496.04,3577.99 ; v2@2625.41,252.01 J11.3 v2@2625.41,562.01 ; v2@3050,3265 v2@3050,3575 ; v2(3220,250) 3220,405.75 J14.3 3220,408.27 v2(3220,565) ; v2@3245,1213.74 J13.3 v2@3555,1213.74 ; v2@3245,2965 J15.3 v2@3555,2965 ; v2@3422.01,1701.26 J16.3 ; v2@3422.01,2186.26 J12.3 v2@3732.01,2186.26
  other v1: 163.5,534 238.5,534 313.5,534 388.5,534 463.5,534 126,609 201,609 276,609 351,609 426,609 501,609 163.5,684 238.5,684 313.5,684 388.5,684 126,759 201,759 276,759 351,759 426,759 501,759 163.5,834 238.5,834 126,909 201,909 276,909 351,909
  other v2: 1437.74,252.01 2031.07,252.01 2624.41,252.01 2626.41,562.01 1050,665 880,667 965,750 3555,1212.74 3245,1214.74 902.99,1630.89 3422.01,1702.26 3732.01,2185.26 3422.01,2187.26 3555,2964 3245,2966 3049,3265 685.89,3267.99 1379.63,3267.99 1937.34,3267.99 2495.04,3267.99 3051,3575 687.89,3577.99 1381.63,3577.99 1939.34,3577.99 2497.04,3577.99
I2C_SCL: J4.4 J5.4 R14.1 SCL.1 U1.41 | length 2008.5
  Top Layer w6: J5.4 J4.4 1015.39,1868.11 R14.1 1201.5,1843.5 1290,1755 1635,1755 1910.84,2030.84 U1.41
I2C_SDA: J4.3 J5.3 R13.1 SDA.1 U1.40 | length 2017.4
  Top Layer w6: J5.3 J4.3 1017.13,1789.37 R13.1 1133.5,1766.5 SDA.1 1591.97,1695 1908.13,2011.16 U1.40
LED_1: R17.1 U1.8 | length 1743.1
  Top Layer w6: U1.8 1755.84,2030.84 v1(1775,2050)
  Top Layer w10: R17.1 870,2880 v1(1400,2350)
  Bottom Layer w10: v1(1400,2350) 1400,2347.47 1697.47,2050 v1(1775,2050)
LED_B: R19.2 U1.11 | length 1657.8
  Top Layer w6: U1.11 1758.34,1971.79 1770.13,1960 v1(1775,1960)
  Top Layer w10: R19.2 575,2595 1135,2035 v1(1285,2035)
  Bottom Layer w10: v1(1285,2035) 1584.7,2035 1659.7,1960 v1(1775,1960)
LED_G: R21.2 U1.10 | length 1675.4
  Top Layer w6: U1.10 1699.39,1990.74 1774.26,1990.74 v1(1775,1990)
  Top Layer w10: R21.2@466.5,2690 575,2690 1195,2070 v1(1285,2070)
  Bottom Layer w10: v1(1285,2070) 1590,2070 1670,1990 v1(1775,1990)
LED_R: R20.1 U1.9 | length 1710.4
  Top Layer w6: U1.9 1761.29,2011.16 1770.13,2020 v1(1775,2020)
  Top Layer w10: R20.1 570,2785 1255,2100 v1(1285,2100)
  Bottom Layer w10: v1(1285,2100) 1288,2097 1603,2097 1680,2020 v1(1775,2020)
LIM_SW1: J7.1 R4.1 U1.56 | length 1371.4
  Top Layer w6: J7.1 R4.1 1459.37,2988.51 1936.84,2511.03 U1.56
LIM_SW2: J8.1 R5.1 U1.55 | length 1199
  Top Layer w6: U1.55 1956.53,3164.11 R5.1 2017.08,3225.34 J8.1
LIM_SW3: J9.1 R6.1 U1.54 | length 1495.6
  Top Layer w6: U1.54 1976.21,2751.21 2355,3130 2480.46,3130 R6.1 2574.78,3225.67 J9.1
LIM_SW4: J10.1 R7.1 U1.53 | length 2023.4
  Top Layer w6: U1.53 1995.9,2730.9 2340,3075 2985.47,3075 3133.5,3223.03 R7.1 3132.49,3226.01 J10.1
NetC3_2: C3.2 U1.6 Y1.1 | length 318.3
  Top Layer w6: C3.2 1470,1986.49 1470,2015 1460,2025 1460,2052.05 Y1.1 1492.69,2052.69 1510.21,2070.21 U1.6
NetC4_2: C4.2 U1.5 Y1.3 | length 376.9
  Top Layer w6: C4.2 1408.18,2185.72 Y1.3 1410,2117.8 1410,2112.95 1435.95,2087 1482.78,2087 1485.67,2089.9 U1.5
NetC6_2: C6.2 U1.30 | length 111
  Top Layer w6: C6.2 2035.27,1710.27 U1.30
NetD1_1: D1.1 F1.1 J1.1
NetD2_1: D2.1 R1.1 | length 125.7
  Top Layer w10: D2.1 R1.1
NetD7_1: D7.1 R17.2 | length 77.2
  Top Layer w10: D7.1 R17.2
NetD8_1: D8.1 R20.2 | length 121.6
  Top Layer w10: D8.1 298.52,2740.31 343.2,2785 R20.2
NetD8_2: D8.2 R21.1 | length 179
  Top Layer w10: D8.2 240.45,2734.02 283.46,2691 R21.1@398.5,2691
NetD8_3: D8.3 R19.1 | length 115.7
  Top Layer w10: D8.3 336.17,2632.83 371.65,2597.35 396.15,2597.35 R19.1
NetF2_2: F2.2 J4.2 | length 321.4
  Top Layer w30: J4.2 924.37,1710.63 995.43,1639.57 F2.2
NetF3_2: F3.2 J5.2 | length 173.4
  Top Layer w30: F3.2@135,1709.57 306.93,1709.57 J5.2
NetF4_2: F4.2 J11.2 | length 173.4
  Top Layer w30: J11.2 F4.2
NetF5_2: F5.2 J14.2 | length 173.4
  Top Layer w30: J14.2 F5.2
NetH1_1: H1.1 R15.2 | length 191.3
  Top Layer w15: R15.2 3059.78,2253.19 H1.1
NetH2_1: H2.1 R16.2 | length 191.3
  Top Layer w15: R16.2 3059.78,1961.19 H2.1
NetR12_2: R12.2 U1.60 | length 294.9
  Top Layer w6: R12.2 1661.5,2338.03 1729.53,2270 1729.53,2252.51 1773.19,2208.85 1844.59,2208.85 1858.1,2222.36 U1.60
PWM_DC1: J2.2 R2.1 U1.22 | length 1600.1
  Top Layer w6: R2.1 1360,1045 1877.79,1562.79 U1.22
  Top Layer w10: J2.2 R2.1
PWM_DC2: J3.2 R3.1 U1.23 | length 1954
  Top Layer w6: U1.23 1897.47,737.47 1840,680 1840,288.51 1860.51,268 1906,268 1953.33,315.33 J3.2 ; R3.1@1953.33,598.03 R3.1
  Top Layer w10: J3.2 R3.1@1953.33,598.03
PWM_SV1: Q1.2 R9.1 U1.28 | length 1294.5
  Top Layer w6: U1.28 1995.9,1759.9 1950,1714 1950,1516 2303.5,1162.5 R9.1 2305,748.5 2305,705 2297.6,697.6 Q1.2
PWM_SV2: Q2.2 R11.1 U1.29 | length 1577.9
  Top Layer w6: U1.29 2015.58,1744.58 1970,1699 1970,1584 2804,750 R11.1 2890,748.5 2890,710 2882.6,702.6 Q2.2
SV1_PWM_5V: J11.1 Q1.3 R8.1 | length 320.9
  Top Layer w6: Q1.3 2392.76,572.76 2408.5,588.5 R8.1 J11.1
SV2_PWM_5V: J14.1 Q2.3 R10.1 | length 329.3
  Top Layer w6: Q2.3 2980.76,572.76 2996.5,588.5 R10.1 J14.1
SWD_CLK: P1.7 U1.49 | length 286.1
  Top Layer w6: U1.49 2098.35,2249.35 2175,2326 P1.7
SWD_IO: P1.6 U1.46 | length 470.6
  Top Layer w6: U1.46@2154.46,2130.15 U1.46 2116,2129.27 2100.27,2145 2100,2145 2100,2166 2275,2341 P1.6
UART_RTS: P1.4 U1.50 | length 372.1
  Top Layer w6: U1.50 2054.95,2254.95 2055,2255 2054.95,2255.05 2054.95,2355.95 2015,2395.91 2015,2515 2075,2575 P1.4
UART_RX: P1.3 U1.52 UART_RX.1 | length 804.4
  Top Layer w6: U1.52 2015.29,2249.64 2015.29,2302.49 2026,2313.19 v1(2026,2315) ; P1.3@2170,2590 2170,2585 P1.3 2175,2605 2345,2775 UART_RX.1
  Bottom Layer w6: v1(2026,2315) 2026,2333 2125,2432 2125,2530 P1.3
UART_TX: P1.2 U1.51 UART_TX.1 | length 1117.6
  Top Layer w6: U1.51 2035.27,2235.27 2035,2235 2035,2222.63 2048.78,2208.85 2098.85,2208.85 2225,2335 2225,2530 P1.2 2285.15,2590.15 2290.15,2590.15 2349,2649 2499,2649 2580,2730 UART_TX.1
pads on no net: H3.0 H4.0 H5.0 H6.0 J1.3 J1.4 J2.4 J2.5 J3.4 J3.5 J4.5 J4.6 J5.5 J5.6 J6.5 J6.6 J7.3 J7.4 J8.3 J8.4 J9.3 J9.4 J10.3 J10.4 J11.4 J11.5 J12.4 J12.5 J13.4 J13.5 J14.4 J14.5 J15.4 J15.5 J16.4 J16.5 S1.2 S1.3 U1.2 U1.3 U1.4 U1.14 U1.15 U1.16 U1.17 U1.20 U1.25 U1.35 U1.36 U1.37 U1.38 U1.39 U1.42 U1.43 U1.57 U1.61 U1.62 U2.5 U3.5 Y1.4

## Polygon pours and split planes (outlines as drawn)
+3V3 on Top Layer "Top Layer-No Net 1" (solid, remove dead copper, pour order 24): 6,4002.21 3943.01,4002.21 3943.01,-33.22 6,-33.22
GND on Top Layer "Top Layer-No Net 3" (solid, pour order 10): 875,290 875,725 1010,725 1010,575 945,575 945,290
+5V on Top Layer "Top Layer-No Net 4" (solid, pour order 20): 545,600 695,600 695,820 825,820 825,930 545,930
NetD1_1 on Top Layer "Top Layer-NetD5_1" (solid, pour order 16): 715,800 715,600 785,600 785,290 855,290 855,800
GND on Top Layer "Top Layer-No Net 5" (solid, pour order 18): 405,930 100,930 100,492.13 525,492.13 525,930
no net on Top Layer "Top Layer-No Net" (solid, pour order 26): 394.7,254.28
no net on Top Layer "Top Layer-No Net 2" (solid, pour order 22): 1,3896.01
GND on Bottom Layer "Bottom Layer-No Net 2" (solid, pour order 30): 1,3994.43 1,-41 3938.01,-41 3938.01,3994.43
no net on Bottom Layer "Bottom Layer-No Net" (solid, pour order 38): 1,3502.31
no net on Bottom Layer "Bottom Layer-No Net 1" (solid, pour order 36): 99.43,3797.58

## Silkscreen, mask and mechanical layers (free items; w line width, h text height)
Top Overlay:
  drawing of 22 lines, arcs and shapes, not listed
  text "LIMIT SWITCH 1" at 1565,3820 h60 r180
  text "LIMIT SWITCH 2" at 2121.67,3820 h60 r180
  text "LIMIT SWITCH 3" at 2678.33,3820 h60 r180
  text "LIMIT SWITCH 4" at 3235,3820 h60 r180
  text "ENCODER" at 965,3805 h60 r180
  text "RESET" at 161.42,3180 h60
  text "Designed by: / Christopher Arjune / Wolfgang Windholtz / Kyle Hong" at 915,2740 h90
  text "CAN1" at 3400,2550 h60
  text "CAN2" at 3401.81,1422 h60
  text "TEMP SENSOR" at 225,1370 h60
  text "MOISTURE SENSOR" at 630,1370 h60
  text "3V3" at 95,1215 h60
  text "UW-MARS-ROVER-SCIENCE-A / JAN 2020 / SCIENCE BOARD" at 1205,830 h80
  text "+ 5V IN --" at 750,50 h60
  text "MOTOR 1" at 1230,50 h60
  text "MOTOR 2" at 1820,50 h60
  text "SERVO 1" at 2415,50 h60
  text "SERVO 2" at 3005,50 h60
Bottom Overlay:
  drawing of 22 lines, arcs and shapes, not listed
  text "Designed by: / Christopher Arjune / Wolfgang Windholtz / Kyle Hong" at 1100,3250 h110 r90
  text "UW-MARS-ROVER-SCIENCE-A / JAN 2020 / SCIENCE BOARD" at 1120,2110 h110 r90
Board Outline:
  lines w10: 1,395.09 ccw(c394.7,395.09) 394.7,1.39 ; 1,395.09 ccw(c394.7,395.09) 394.7,1.39 ; 1,395.09 1,3544.7 ; 1,395.09 1,3544.7 ; 1,3544.7 cw(c394.7,3544.7) 394.7,3938.4 ; 1,3544.7 cw(c394.7,3544.7) 394.7,3938.4 ; 394.7,1.39 3544.31,1.39 ; 394.7,1.39 3544.31,1.39 ; 394.7,3938.4 3544.31,3938.4 ; 394.7,3938.4 3544.31,3938.4 ; 3544.31,1.39 ccw(c3544.31,395.09) 3938.01,395.09 cw(c3544.31,395.09) 3544.31,1.39 ; 3544.31,3938.4 cw(c3544.31,3544.7) 3938.01,3544.7 ccw(c3544.31,3544.7) 3544.31,3938.4 ; 3938.01,400.09 3938.01,3549.7 3938.01,400.09

## Text inside footprints (layer, text, board x,y; h text height)
P1: Top Overlay "TX" at 2270,2700 h30 r270; Top Overlay "RX" at 2165,2700 h30 r270; Top Overlay "RTS" at 2055,2730 h30 r270; Top Overlay "IO" at 2264.76,2404.96 h30 r270; Top Overlay "CLK" at 2160,2405 h30 r270; Top Overlay "RST" at 2060,2405 h30 r270; Top Overlay "VCC" at 2360,2735 h30 r270; Top Overlay "GND" at 2375,2405 h30 r270